# Altium PCB Fastino-DIOT.PCBDOC (part 7 of 22)
Units mm, origin at the board's own origin, x right, y up, seen from the top; angles counter-clockwise.
Board outline 222.63 x 100.1 mm, 8 copper layers (L1, L2, L3, P4, L5, L6, P7, L8), stack 1.563 mm thick; 1030 components, 787 nets, 3312 pads, 2498 vias.
Unrouted connection lines stored in the file: 424.
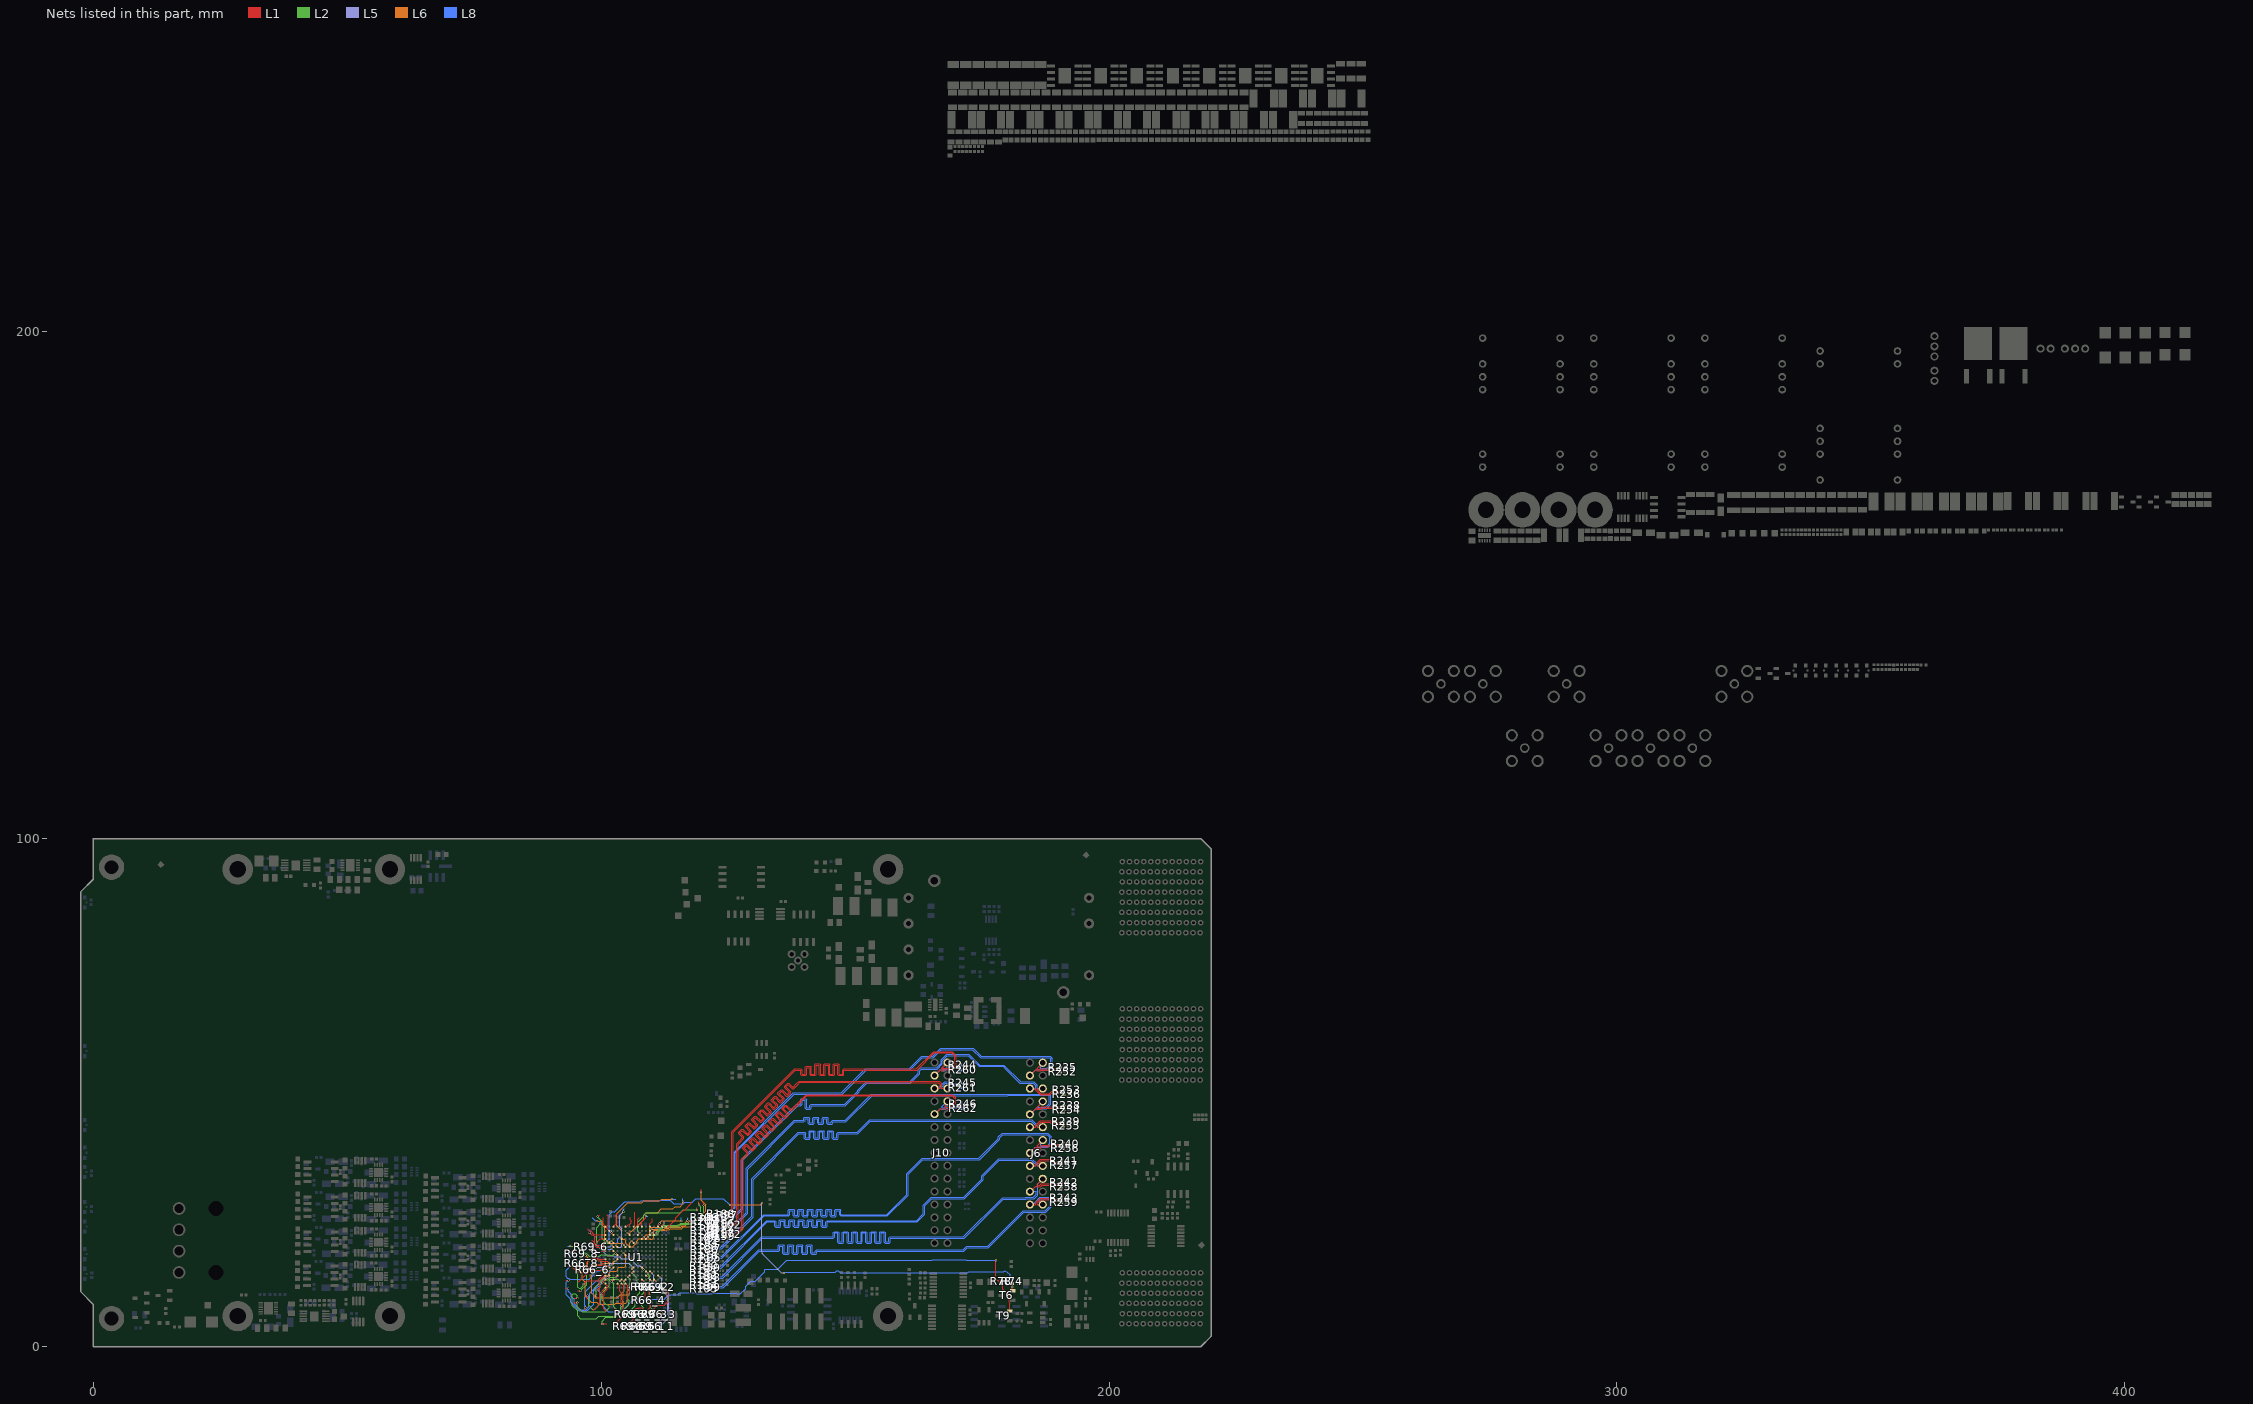
[diagram p13: the nets of this part, all layers, seen from the top]

## Via types
v1: diameter 0.4, hole 0.2, L1 to L8, tented both sides, 1919 vias
v2: diameter 0.5, hole 0.2, L1 to L8, tented both sides, 270 vias
v3: diameter 0.4, hole 0.2, L1 to L8, 170 vias
v4: diameter 0.7, hole 0.4, L1 to L8, tented both sides, 110 vias
v5: diameter 0.7, hole 0.4, L1 to L8, 29 vias

## Nets (pads, with @x,y where several pads share a name; then routed paths per layer and width w, separated by ;. In a path a pad name is that pad's centre, name@x,y a point inside that pad or via, vN(x,y) a via of type N, cw(c..) or ccw(c..) an arc to the next point about the centre after c; other vN are vias at no path point) (continued)
DAC_SPI_LDACn28: U1.G14 | length 17
  L1 w0.127: 93.751,18.771 93.79,18.809 94.298,18.809 v1(94.336,18.847) ; v1(101.981,16.027) 102.004,16.027 102.377,16.4 U1.G14@102.4,16.4
  L8 w0.127: v1(94.336,18.847) 93.695,18.206 93.695,15.66 93.107,15.072 93.107,13.732 93.336,13.503 93.627,13.503 93.831,13.3 97.687,13.3 99.322,14.935 99.764,14.935 100.856,16.027 v1(101.981,16.027)
DAC_SPI_LDACn29: U1.L13 | length 9.8
  L1 w0.127: v1(102.895,19.91) 102.895,19.907 103.2,19.602 U1.L13@103.2,19.6
  L5 w0.127: v1(102.895,19.91) 103.256,19.549 103.845,19.549 104.073,19.777 104.073,20.573 104.031,20.615 104.031,21.426 104.022,21.435 104.022,23.2 103.64,23.583 103.64,25.815 v1(104.375,26.55)
  L8 w0.127: v1(104.375,26.55) 104.323,26.602 104.323,26.898 104.439,27.013 104.439,27.063 104.5,27.125 104.55,27.125
DAC_SPI_LDACn30: U1.R5 | length 9.5
  L1 w0.127: U1.R5@109.6,22.8 109.6,22.807 109.931,23.138 v1(109.931,23.146)
  L6 w0.127: v1(109.931,23.146) 109.942,23.135 112.416,23.135 112.573,23.292 113.284,23.292 113.443,23.451 114.849,23.451 114.883,23.485 115.687,23.485 115.9,23.698 115.969,23.698 116.085,23.814 116.594,23.814 117.577,24.797 v1@117.577,24.841
  L8 w0.127: v1(117.551,24.841) 117.551,24.915 117.693,25.057 117.693,25.313 117.742,25.362
DAC_SPI_LDACn31: U1.N12 | length 4.4
  L1 w0.127: v1(103.632,21.565) 103.634,21.565 103.998,21.2 U1.N12@104,21.2
  L8 w0.127: 100.7,20.425 101.807,20.425 101.877,20.355 102.558,20.355 102.592,20.321 102.996,20.321 103.25,20.575 103.25,21.183 v1(103.632,21.565)
DAC_SPI_LDACn32: U1.N6 | length 15.9
  L1 w0.127: U1.N6@108.8,21.2 108.815,21.2 109.205,21.59 v1(109.22,21.59) ; 119.952,28.511 119.952,28.46 120.156,28.256 v1(120.156,27.751)
  L2 w0.127: v1(109.22,21.59) 109.592,21.962 109.783,21.962 109.796,21.974 110.119,21.974 110.132,21.962 110.609,21.962 110.638,21.991 110.884,21.991 110.896,22.002 110.906,22.002 111.134,22.231 111.134,22.241 111.229,22.335 111.229,22.562 112.274,23.607 115.3,23.607 115.738,24.045 117.961,24.045 120.156,26.24 v1(120.156,27.751)
DAC_SPI_NSS1: R66_1.1 U1.E5 | length 13
  L1 w0.127: U1.E5@109.6,14.8 109.617,14.8 109.965,14.453 v1(109.982,14.453) ; R66_1.1@110.998,4.318 111.012,4.318 111.049,4.355 111.049,4.877 v1(111.1,4.928)
  L5 w0.127: v1(109.982,14.453) 110.372,14.062 110.372,13.575 110.379,13.568 110.379,12.665 112.075,10.969 112.075,10.925 113.071,9.929 113.071,6.963 113.192,6.842 113.192,6.518 112.951,6.277 112.9,6.277 111.525,4.902 v1@111.277,4.902
DAC_SPI_NSS2: R66_2.1 U1.C5 | length 1.4
  L1 w0.127: U1.C5@109.6,13.2 109.604,13.2 109.977,12.827 v1(109.982,12.827)
  L8 w0.127: R66_2.1@109.925,12.025 109.953,12.053 109.953,12.798 v1(109.982,12.827)
DAC_SPI_NSS3: R66_3.1 U1.E6 | length 10.8
  L1 w0.127: U1.E6@108.8,14.8 108.811,14.8 109.184,14.427 v1(109.195,14.427) ; R66_3.1@111.328,6.625 111.328,6.647 111.39,6.708 v1(111.887,6.708)
  L2 w0.127: v1(109.195,14.427) 109.247,14.375 109.247,14.114 109.592,13.77 109.592,10.215 109.796,10.011 109.796,9.464 109.774,9.442 109.774,7.631 110.827,6.579 111.433,6.579 111.51,6.656 111.835,6.656 v1(111.887,6.708)
DAC_SPI_NSS4: R66_4.1 U1.A6 | length 2.8
  L1 w0.127: U1.A6@108.8,11.6 108.8,10.852 108.634,10.687 108.634,9.62 108.891,9.364 R66_4.1@109.28,9.364
DAC_SPI_NSS5: R66_5.1 U1.C7 | length 10.3
  L1 w0.127: R66_5.1@107.386,4.318 107.388,4.321 107.388,4.823 v1(107.391,4.826) ; U1.C7@108,13.2 108.006,13.2 108.379,12.827 v1(108.385,12.827)
  L2 w0.127: v1(107.391,4.826) 107.391,4.851 107.128,5.115 107.128,5.81 108.29,6.972 108.29,7.689 107.94,8.039 107.94,8.314 107.515,8.739 107.515,9.738 108.385,10.608 v1(108.385,12.827)
DAC_SPI_NSS6: R66_6.1 U1.F9 | length 9.4
  L1 w0.127: v1(106.07,15.265) 106.07,15.268 106.4,15.598 U1.F9@106.4,15.6
  L5 w0.127: v1(99.05,15.575) 100.976,15.575 101.826,16.424 102.981,16.424 103,16.443 103.794,16.443 103.813,16.424 104.581,16.424 104.615,16.458 105.375,16.458 106.07,15.763 v1(106.07,15.265)
  L8 w0.127: R66_6.1@98.475,15.125 98.525,15.125 98.923,15.523 98.998,15.523 v1(99.05,15.575)
DAC_SPI_NSS7: R66_7.1 U1.D10 | length 12.1
  L1 w0.127: v1(105.232,13.665) 105.249,13.665 105.583,14 U1.D10@105.6,14 ; v1(107.645,7.239) 107.671,7.214 107.671,6.72 R66_7.1@107.696,6.694
  L2 w0.127: v1(105.232,13.665) 105.673,13.224 105.673,11.463 105.096,10.885 105.096,10.038 105.259,9.875 105.259,9.288 105.498,9.049 105.498,8.735 105.456,8.692 105.456,8.274 104.639,7.457 104.639,7.103 105.172,6.569 107.02,6.569 107.645,7.195 v1(107.645,7.239)
DAC_SPI_NSS8: R66_8.1 U1.B11 | length 19.8
  L1 w0.127: R66_8.1@96.418,16.434 96.5,16.352 96.5,16.151 96.613,16.038 v1(96.613,15.964) ; U1.B11@104.8,12.4 105.19,12.01 105.19,10.536 105.096,10.441 105.096,8.9 v1(105.108,8.888)
  L6 w0.127: v1(96.613,15.964) 96.613,15.891 96.275,15.553 96.275,13.23 96.885,12.62 96.885,9.878 98.066,8.696 99.146,8.696 99.469,8.373 102.648,8.373 102.85,8.575 104.795,8.575 v1(105.108,8.888)
DAC_SPI_NSS9: U1.T2 | length 1.4
  L1 w0.127: U1.T2@112,23.6 112.052,23.652 112.052,23.909 112.155,24.013 112.155,24.027 112.33,24.202 v1(112.33,24.276)
  L8 w0.127: v1(112.33,24.276) 112.378,24.323 112.378,24.728 112.425,24.775
DAC_SPI_NSS10: U1.C11 | length 13
  L1 w0.127: v1(100.203,4.445) 100.211,4.453 101.056,4.453 101.117,4.514 101.117,4.535 ; v1(104.496,12.903) 104.499,12.903 104.796,13.2 U1.C11@104.8,13.2
  L2 w0.127: v1@100.178,4.445 100.168,4.454 100.168,5.013 100.905,5.75 102.724,5.75 104.131,7.156 104.131,7.668 104.353,7.89 104.353,8.953 104.054,9.251 104.054,10.562 104.496,11.004 v1(104.496,12.903)
DAC_SPI_NSS11: U1.A16 | length 13.3
  L1 w0.127: 94.675,8.7 94.707,8.668 95.243,8.668 v1(95.275,8.636) ; v1(100.152,10.033) 100.152,10.952 U1.A16@100.8,11.6
  L2 w0.127: v1@95.275,8.534 95.275,7.83 96.249,6.856 100.804,6.856 101.559,7.611 101.559,7.934 101.12,8.373 100.93,8.373 100.152,9.151 v1(100.152,10.033)
DAC_SPI_NSS12: U1.T7 | length 2.9
  L1 w0.127: U1.T7@108,23.6 108,24.559 108.794,25.354 108.794,25.737 v1(108.801,25.744)
  L8 w0.127: v1@108.875,25.744 v1(108.801,25.744) 108.835,25.71 109.115,25.71 109.15,25.675
DAC_SPI_NSS13: U1.B16 | length 6.3
  L1 w0.127: U1.B16@100.8,12.4 101.19,12.01 101.19,11.268 100.635,10.712 100.635,9.963 100.448,9.776 100.448,7.492 101.016,6.923 101.016,6.833
DAC_SPI_NSS14: U1.J13 | length 11.2
  L1 w0.127: v1(102.845,18.339) 102.853,18.339 103.192,18 U1.J13@103.2,18
  L2 w0.127: v1(93.875,19.787) 95.4,19.787 96.821,18.366 97.062,18.366 97.657,17.771 99.654,17.771 100.003,18.12 101.562,18.12 101.734,17.948 102.219,17.948 102.557,18.287 102.792,18.287 v1(102.845,18.339)
  L8 w0.127: 93.375,19.8 93.382,19.793 93.868,19.793 v1(93.875,19.787)
DAC_SPI_NSS15: U1.T9 | length 3
  L1 w0.127: U1.T9@106.4,23.6 106.555,23.756 106.555,25.57 106.6,25.615 106.6,26.475
DAC_SPI_NSS16: U1.D13 | length 7.6
  L1 w0.127: 98.984,9.565 98.996,9.577 98.996,9.995 v1(99.009,10.008) ; v1(102.87,13.64) 102.87,13.655 103.2,13.985 U1.D13@103.2,14
  L2 w0.127: v1(99.009,10.008) 99.009,10.813 98.847,10.975 98.847,11.706 99.562,12.421 99.562,12.484 100.276,13.199 101.355,13.199 101.797,13.64 v1(102.87,13.64)
DAC_SPI_NSS17: U1.H16 | length 2.9
  L1 w0.127: 98.125,17.725 99.016,17.725 99.541,17.2 U1.H16@100.8,17.2
DAC_SPI_NSS18: U1.T11 | length 2.6
  L1 w0.127: U1.T11@104.8,23.6 104.886,23.6 105.286,24 105.506,24 105.667,24.161 ; 105.668,24.161 105.897,24.389 105.897,24.713 105.675,24.935 105.675,25.475
DAC_SPI_NSS19: U1.D16 | length 7.9
  L1 w0.127: 98.4,7.127 98.637,7.364 98.689,7.364 99.718,8.393 99.718,12.918 U1.D16@100.8,14
DAC_SPI_NSS20: U1.K14 | length 1.4
  L1 w0.127: v1(102.032,19.177) 102.032,19.173 102.4,18.804 U1.K14@102.4,18.8
  L2 w0.127: v1@101.991,19.136 v1(102.032,19.177)
  L8 w0.127: 101.25,19.175 101.251,19.176 v1(102.032,19.177) v1(102.032,19.177)
DAC_SPI_NSS21: U1.R15 | length 3.5
  L1 w0.127: 101.1,25.975 101.1,25.925 101.341,25.684 101.341,23.968 101.209,23.836 101.209,23.191 U1.R15@101.6,22.8
DAC_SPI_NSS22: U1.D15 | length 15.8
  L1 w0.127: 93.009,11.481 93.022,11.468 93.485,11.468 v1(93.497,11.455) ; v1(101.194,13.589) 101.194,13.591 101.6,13.998 U1.D15@101.6,14
  L8 w0.127: v1(93.497,11.455) 93.497,10.878 94.1,10.275 94.1,9.825 94.65,9.275 94.65,8.455 95.825,7.28 97.012,7.28 97.527,7.795 97.527,8.417 97.698,8.588 97.698,10.522 99.552,12.376 99.552,12.474 100.667,13.589 v1(101.194,13.589)
DAC_SPI_NSS23: U1.P16 | length 4
  L1 w0.127: 97.475,23.25 97.475,22.949 97.624,22.8 97.912,22.8 98.543,22.168 98.557,22.168 98.726,22 U1.P16@100.8,22
DAC_SPI_NSS24: U1.L10 | length 20.7
  L1 w0.127: v1(105.207,19.99) 105.208,19.99 105.598,19.6 U1.L10@105.6,19.6
  L6 w0.127: v1(105.207,19.99) 104.816,20.38 104.816,20.935 104.568,21.183 104.274,21.183 104.025,21.432 104.025,22.8 103.075,23.75 103.075,26.2 105.225,28.35 108.025,28.35 108.4,28.725 111.569,28.725 111.901,29.057 v1(113.948,29.057)
  L8 w0.127: v1(113.948,29.057) 113.968,29.037 114.645,29.037 114.706,28.975 114.706,28.942
DAC_SPI_NSS25: U1.G15 | length 11.9
  L1 w0.127: 95.377,11.013 95.385,11.004 95.891,11.004 v1(95.91,10.984) ; v1@97.155,15.265 97.13,15.291 97.13,16.557 97.963,17.39 98.992,17.39 99.436,16.946 100.091,16.946 100.227,16.81 101.19,16.81 U1.G15@101.6,16.4
  L2 w0.127: v1(95.91,10.984) 97.13,12.204 v1(97.13,15.265)
DAC_SPI_NSS26: U1.M16 | length 5.7
  L1 w0.127: v1(97.707,22.409) 98.126,21.99 98.362,21.99 98.438,21.914 98.452,21.914 98.681,21.686 98.681,21.671 98.739,21.613 98.739,20.339 99.169,19.91 100.309,19.91 U1.M16@100.8,20.4
  L8 w0.127: v1(97.707,22.409) 97.707,22.483 97.8,22.576 97.8,22.975
DAC_SPI_NSS27: U1.T5 | length 1.8
  L1 w0.127: U1.T5@109.6,23.6 109.6,24.181 110.05,24.631 110.05,25.2
DAC_SPI_NSS28: U1.F15 | length 9.4
  L1 w0.127: 93.918,16.053 95.077,14.894 95.354,14.894 95.638,14.61 97.026,14.61 97.584,15.167 97.584,15.579 98.142,16.137 98.646,16.137 98.793,15.991 101.209,15.991 U1.F15@101.6,15.6
DAC_SPI_NSS29: U1.N16 | length 6.7
  L1 w0.127: v1(99.13,20.501) 99.829,21.2 U1.N16@100.8,21.2
  L2 w0.127: v1(99.13,20.501) 99.13,23.416 99.855,24.141 v1(99.855,24.151)
  L8 w0.127: v1@99.798,24.157 99.853,24.212 99.853,24.678 99.875,24.7 99.875,24.65 99.961,24.564 99.961,24.539
DAC_SPI_NSS30: U1.T3 | length 5.9
  L1 w0.127: U1.T3@111.2,23.6 111.252,23.652 111.252,23.947 111.482,24.176 v1(111.482,24.25)
  L6 w0.127: v1(111.482,24.25) 111.961,24.73 113.084,24.73 113.094,24.74 114.391,24.74 114.401,24.73 115.789,24.73 v1@115.799,24.74
  L8 w0.127: 115.748,25.375 115.773,25.349 115.773,24.816 v1(115.824,24.765)
DAC_SPI_NSS31: U1.L11 | length 10.9
  L1 w0.127: v1(104.47,19.964) 104.47,19.947 104.8,19.617 U1.L11@104.8,19.6
  L6 w0.127: v1(99.2,24.684) 99.965,24.684 100.325,24.325 100.325,23.8 100.725,23.4 100.725,20.712 101.006,20.431 101.349,20.431 101.419,20.362 102.212,20.362 102.253,20.321 103.138,20.321 103.146,20.329 104.105,20.329 v1(104.47,19.964)
  L8 w0.127: 98.25,25.375 98.25,25.325 98.838,24.737 99.148,24.737 v1(99.2,24.684)
DAC_SPI_NSS32: U1.T1 | length 7.3
  L1 w0.127: U1.T1@112.8,23.6 112.834,23.634 113.19,23.634 114.646,25.09 114.646,25.334 116.192,26.88 116.411,26.88 117.718,28.187 117.718,28.436 117.78,28.498
DAC_SPI_SDI1: R69_1.1 U1.D3 | length 14.8
  L1 w0.127: R69_1.1@109.271,4.363 109.283,4.376 109.283,4.915 v1(109.271,4.928) ; U1.D3@111.2,14 111.2,13.986 111.557,13.629 v1(111.557,13.614)
  L5 w0.127: v1(109.271,4.928) 109.712,4.486 112.111,4.486 113.325,5.7 113.325,6.292 113.446,6.413 113.446,6.947 113.325,7.068 113.325,10.55 111.963,11.912 111.963,13.488 111.888,13.562 111.609,13.562 v1(111.557,13.614)
DAC_SPI_SDI2: R69_2.1 U1.C4 | length 1.5
  L1 w0.127: U1.C4@110.4,13.2 110.4,13.198 110.769,12.829 v1(110.769,12.827)
  L8 w0.127: v1(110.769,12.827) 111.175,12.421 R69_2.1@111.175,12
DAC_SPI_SDI3: R69_3.1 U1.A2 | length 7.5
  L1 w0.127: R69_3.1@109.728,6.782 111.058,8.112 112.412,8.112 113.175,8.875 113.175,10.425 U1.A2@112.014,11.586
DAC_SPI_SDI4: R69_4.1 U1.D6 | length 2.5
  L1 w0.127: U1.D6@108.8,14 108.804,14 109.165,13.64 v1(109.169,13.64)
  L8 w0.127: v1(109.169,13.64) 109.575,13.234 109.575,12.45 109.2,12.075 R69_4.1@109.2,12.025
DAC_SPI_SDI5: R69_5.1 U1.B6 | length 11.9
  L1 w0.127: 105.701,4.42 105.701,4.768 106.308,5.375 106.308,6.963 106.899,7.553 107.407,7.553 107.483,7.629 107.99,7.629 108.51,7.11 109.037,7.11 109.671,7.744 109.671,9.704 109.5,9.875 109.5,10.378 109.44,10.438 109.44,11.062 109.209,11.293 109.209,11.991 U1.B6@108.8,12.4
DAC_SPI_SDI6: R69_6.1 U1.F7 | length 14.4
  L1 w0.127: U1.F7@108,15.6 108,15.573 108.331,15.242 v1(108.331,15.215)
  L5 w0.127: v1(97.625,20.175) 98.904,20.175 101.213,17.866 102.309,17.866 102.525,17.65 103.6,17.65 103.925,17.325 106.087,17.325 106.435,16.977 106.435,16.634 107.119,15.95 107.595,15.95 v1(108.331,15.215)
  L8 w0.127: v1(97.625,20.175) 97.677,20.123 97.822,20.123 98.066,19.879 98.066,19.809 98.2,19.675 R69_6.1@98.25,19.675
DAC_SPI_SDI7: R69_7.1 U1.E9 | length 9.6
  L1 w0.127: R69_7.1@105.918,6.655 105.931,6.667 105.931,7.201 v1(105.943,7.214) ; v1(106.07,14.453) 106.07,14.462 106.4,14.791 U1.E9@106.4,14.8
  L2 w0.127: v1(105.943,7.214) 106.747,8.017 106.747,9.749 107.604,10.607 107.604,12.265 106.863,13.006 106.863,13.66 v1(106.07,14.453)
DAC_SPI_SDI8: R69_8.1 U1.A10 | length 18.2
  L1 w0.127: R69_8.1@96.458,18.212 96.656,18.014 96.861,18.014 v1(96.9,17.975) ; v1(105.486,10.236) 105.486,10.31 105.6,10.424 U1.A10@105.6,11.6
  L6 w0.127: v1(96.9,17.975) 96.954,17.975 97.394,17.536 97.394,15.745 98.037,15.102 98.055,15.102 98.371,14.786 98.371,14.375 98.175,14.179 98.175,10.53 98.606,10.099 98.606,9.858 98.847,9.617 103.163,9.617 103.782,10.236 v1(105.486,10.236)
DAC_SPI_SDI9: U1.P5 | length 2.2
  L1 w0.127: U1.P5@109.6,22 109.6,22.017 109.931,22.348 v1(109.931,22.365)
  L8 w0.127: v1(109.931,22.365) 109.944,22.365 110.754,23.175 111.188,23.175 111.238,23.125
DAC_SPI_SDI10: U1.B12 | length 8.7
  L1 w0.127: 102.839,4.547 102.876,4.583 102.9,4.583 104.276,5.959 104.276,7.814 104.353,7.89 104.353,9.102 104.308,9.146 104.308,10.5 104.39,10.582 104.39,12.01 U1.B12@104,12.4
DAC_SPI_SDI11: U1.B13 | length 22
  L1 w0.127: 94.65,9.5 94.663,9.513 95.288,9.513 v1(95.301,9.525) ; U1.B13@103.2,12.4 103.609,11.991 103.609,10.899 103.962,10.546 v1(103.962,8.052)
  L2 w0.127: v1@95.275,9.55 95.301,9.576 95.301,10.001 94.853,10.449 94.529,10.449 94.301,10.22 94.301,8.086 95.336,7.051 95.336,6.042 95.901,5.477 98.996,5.477 99.523,6.004 102.619,6.004 103.87,7.255 103.87,7.767 103.91,7.807 103.91,8 v1(103.962,8.052)
DAC_SPI_SDI12: U1.T8 | length 1.9
  L1 w0.127: U1.T8@107.2,23.6 107.2,25.075 107.475,25.35 107.525,25.35
DAC_SPI_SDI13: U1.C14 | length 6.8
  L1 w0.127: v1(102.032,12.827) 102.032,12.829 102.4,13.198 U1.C14@102.4,13.2 ; 102.636,6.96 102.661,6.96 102.697,6.996 102.697,7.17 102.845,7.318 v1(102.845,7.391)
  L2 w0.127: v1(102.032,12.827) 102.438,12.421 102.438,7.798 v1(102.845,7.391)
DAC_SPI_SDI14: U1.H13 | length 5.4
  L1 w0.127: v1(102.819,16.815) 102.819,16.817 103.2,17.198 U1.H13@103.2,17.2
  L6 w0.127: v1(98.931,16.404) 98.965,16.404 99.224,16.145 100.67,16.145 100.943,16.418 102.136,16.418 102.481,16.763 102.767,16.763 v1@102.768,16.764
  L8 w0.127: 98.3,16.5 98.762,16.5 98.857,16.404 v1(98.931,16.404)
DAC_SPI_SDI15: U1.M9 | length 25.4
  L1 w0.127: v1(105.98,20.801) 105.99,20.801 106.391,20.4 U1.M9@106.4,20.4 ; v1(119.681,30.426) 119.696,30.441 119.696,31.003 119.685,31.013
  L6 w0.127: v1(105.98,20.801) 105.609,20.43 105.609,19.844 105.843,19.61 106.2,19.61 106.999,20.41 106.999,20.76 107.433,21.193 109.612,21.193 109.669,21.136 109.993,21.136 110.025,21.168 110.033,21.168 110.049,21.168 110.354,21.472 110.354,22.774 110.46,22.881 112.521,22.881 112.679,23.038 113.389,23.038 113.548,23.197 114.954,23.197 114.988,23.231 115.861,23.231 116.19,23.56 117.476,23.56 120.546,26.63 120.546,27.913 119.681,28.779 v1(119.681,30.426)
DAC_SPI_SDI16: U1.C12 | length 13.5
  L1 w0.127: 97.257,9.565 97.282,9.59 97.282,9.982 v1(97.307,10.008) ; v1(103.683,12.903) 103.693,12.903 103.99,13.2 U1.C12@104,13.2
  L2 w0.127: v1(97.307,10.008) 97.307,9.934 97.527,9.715 97.527,8.093 98.256,7.364 98.689,7.364 99.762,8.436 99.762,10.195 101.59,12.024 101.59,12.938 101.87,13.217 103.369,13.217 v1(103.683,12.903)
DAC_SPI_SDI17: U1.G16 | length 1.3
  L1 w0.127: v1(99.949,16.535) 100.023,16.535 100.158,16.4 U1.G16@100.8,16.4
  L8 w0.127: v1(99.949,16.535) 99.987,16.497 99.987,16.163 100.025,16.125
DAC_SPI_SDI18: U1.T14 | length 3
  L1 w0.127: U1.T14@102.4,23.6 102.946,24.146 102.946,25.971 103.2,26.225 103.25,26.225
DAC_SPI_SDI19: U1.F14 | length 11.5
  L1 w0.127: 96.799,7.228 96.825,7.253 96.825,7.645 v1(96.85,7.671) ; v1(102.032,15.24) 102.036,15.24 102.396,15.6 U1.F14@102.4,15.6
  L8 w0.127: v1@96.876,7.671 96.822,7.725 96.822,8.061 96.739,8.144 96.739,9.776 96.917,9.954 96.917,10.881 99.006,12.97 99.688,12.97 100.698,13.979 101.277,13.979 101.616,14.318 101.616,14.824 v1(102.032,15.24)
DAC_SPI_SDI20: U1.K16 | length 2.9
  L1 w0.127: 98.175,19.5 98.225,19.5 98.919,18.805 100.795,18.805 U1.K16@100.8,18.8
DAC_SPI_SDI21: U1.P14 | length 1.3
  L1 w0.127: v1(102,22.455) 102,22.427 102.4,22.027 U1.P14@102.4,22
  L8 w0.127: v1(102,22.455) 102,22.529 102.1,22.629 102.1,23.05
DAC_SPI_SDI22: U1.C16 | length 17
  L1 w0.127: 93.029,13.056 v1(93.523,13.056) ; v1(100.203,12.573) 100.203,12.588 100.8,13.185 U1.C16@100.8,13.2
  L8 w0.127: v1@93.447,13.056 93.447,12.979 93.107,12.64 93.107,10.168 93.975,9.3 93.975,8.771 95.72,7.026 97.241,7.026 98.536,8.322 98.536,11.001 99.296,11.761 99.391,11.761 v1(100.203,12.573)
DAC_SPI_SDI23: U1.M14 | length 8.1
  L1 w0.127: v1(99.232,25.615) 99.3,25.615 99.594,25.908 99.619,25.908 ; v1(102.032,20.752) 102.04,20.752 102.392,20.4 U1.M14@102.4,20.4
  L2 w0.127: v1(99.232,25.615) 100.245,24.601 100.245,21.192 101.006,20.431 101.33,20.431 101.641,20.742 102.021,20.742 v1(102.032,20.752)
DAC_SPI_SDI24: U1.P10 | length 15.2
  L1 w0.127: v1(105.207,22.352) 105.227,22.352 105.579,22 U1.P10@105.6,22
  L6 w0.127: v1(105.207,22.352) 105.6,22.352 105.959,22.711 106.052,22.711 108.335,24.993 108.335,25.83 108.894,26.39 111.09,26.39 111.812,27.112 114.112,27.112 114.576,27.577 115.526,27.577 116.028,28.078 116.028,28.549 v1(116.081,28.601)
  L8 w0.127: v1(116.081,28.601) 116.079,28.603 116.079,29.059 116.087,29.066
DAC_SPI_SDI25: U1.F16 | length 6.6
  L1 w0.127: 95.377,12.776 95.58,12.776 97.819,15.015 100.215,15.015 U1.F16@100.8,15.6
DAC_SPI_SDI26: U1.L16 | length 3.5
  L1 w0.127: 98.125,20.975 98.175,20.975 98.485,20.665 98.485,20.234 99.119,19.6 U1.L16@100.8,19.6
DAC_SPI_SDI27: U1.P8 | length 16.1
  L1 w0.127: U1.P8@107.2,22 107.2,22.019 107.544,22.362 v1(107.544,22.381) ; 118.825,27.325 118.775,27.375 118.775,27 v1(118.85,26.925)
  L2 w0.127: v1(107.544,22.381) 107.179,22.746 107.179,24.484 108.335,25.64 108.335,25.83 108.894,26.39 114.251,26.39 114.295,26.346 114.505,26.346 115.205,26.346 115.605,26.346 116.184,26.925 118.724,26.925 118.79,26.992 v1@118.79,27.001
DAC_SPI_SDI28: U1.E16 | length 14.4
  L1 w0.127: 93.904,17.932 93.929,17.907 v1(94.361,17.907) ; v1(96.495,12.319) 97.146,12.97 99.171,12.97 99.959,13.758 99.959,13.959 U1.E16@100.8,14.8
  L2 w0.127: v1(94.361,17.907) 94.748,17.52 94.748,17.254 95.086,16.915 95.099,16.915 95.437,16.577 95.437,16.146 95.234,15.942 95.234,14.767 95.418,14.583 95.418,11.725 95.647,11.497 95.971,11.497 96.442,11.969 96.442,12.267 v1(96.495,12.319)
DAC_SPI_SDI29: U1.L14 | length 2.5
  L1 w0.127: v1(102.057,19.964) 102.057,19.954 102.4,19.611 U1.L14@102.4,19.6
  L8 w0.127: 100.225,19.65 100.997,19.65 101.003,19.644 101.737,19.644 v1(102.057,19.964)
DAC_SPI_SDI30: U1.N7 | length 11.7
  L1 w0.127: U1.N7@108,21.2 108,21.204 108.382,21.586 v1(108.382,21.59)
  L6 w0.127: v1(108.382,21.59) 108.455,21.59 108.846,21.98 109.28,21.98 109.541,22.241 109.541,23.307 109.769,23.536 110.093,23.536 110.097,23.532 112.454,23.532 112.554,23.632 113.265,23.632 113.338,23.705 114.744,23.705 114.777,23.739 114.939,23.739 115.152,23.952 115.864,23.952 115.98,24.068 116.296,24.068 116.967,24.74 v1@116.992,24.74
  L8 w0.127: v1(117.018,24.79) 117.043,24.816 117.043,25.298 117.094,25.349
DAC_SPI_SDI31: U1.T16 | length 2
  L1 w0.127: 100.35,25.4 100.35,24.05 U1.T16@100.8,23.6
DAC_SPI_SDI32: U1.P4 | length 14.2